# Altium PCB vme64x6U_ctrlc.PcbDoc (part 14 of 18)
Units mm, origin at the board's own origin, x right, y up, seen from the top; angles counter-clockwise.
Board outline 233.35 x 162 mm, 6 copper layers (TopLayer, PlaneGnd, PlanePwr, MidLayer3, MidLayer4, BottomLayer); 408 components, 677 nets, 2169 pads, 1555 vias.
Unrouted connection lines stored in the file: 184.
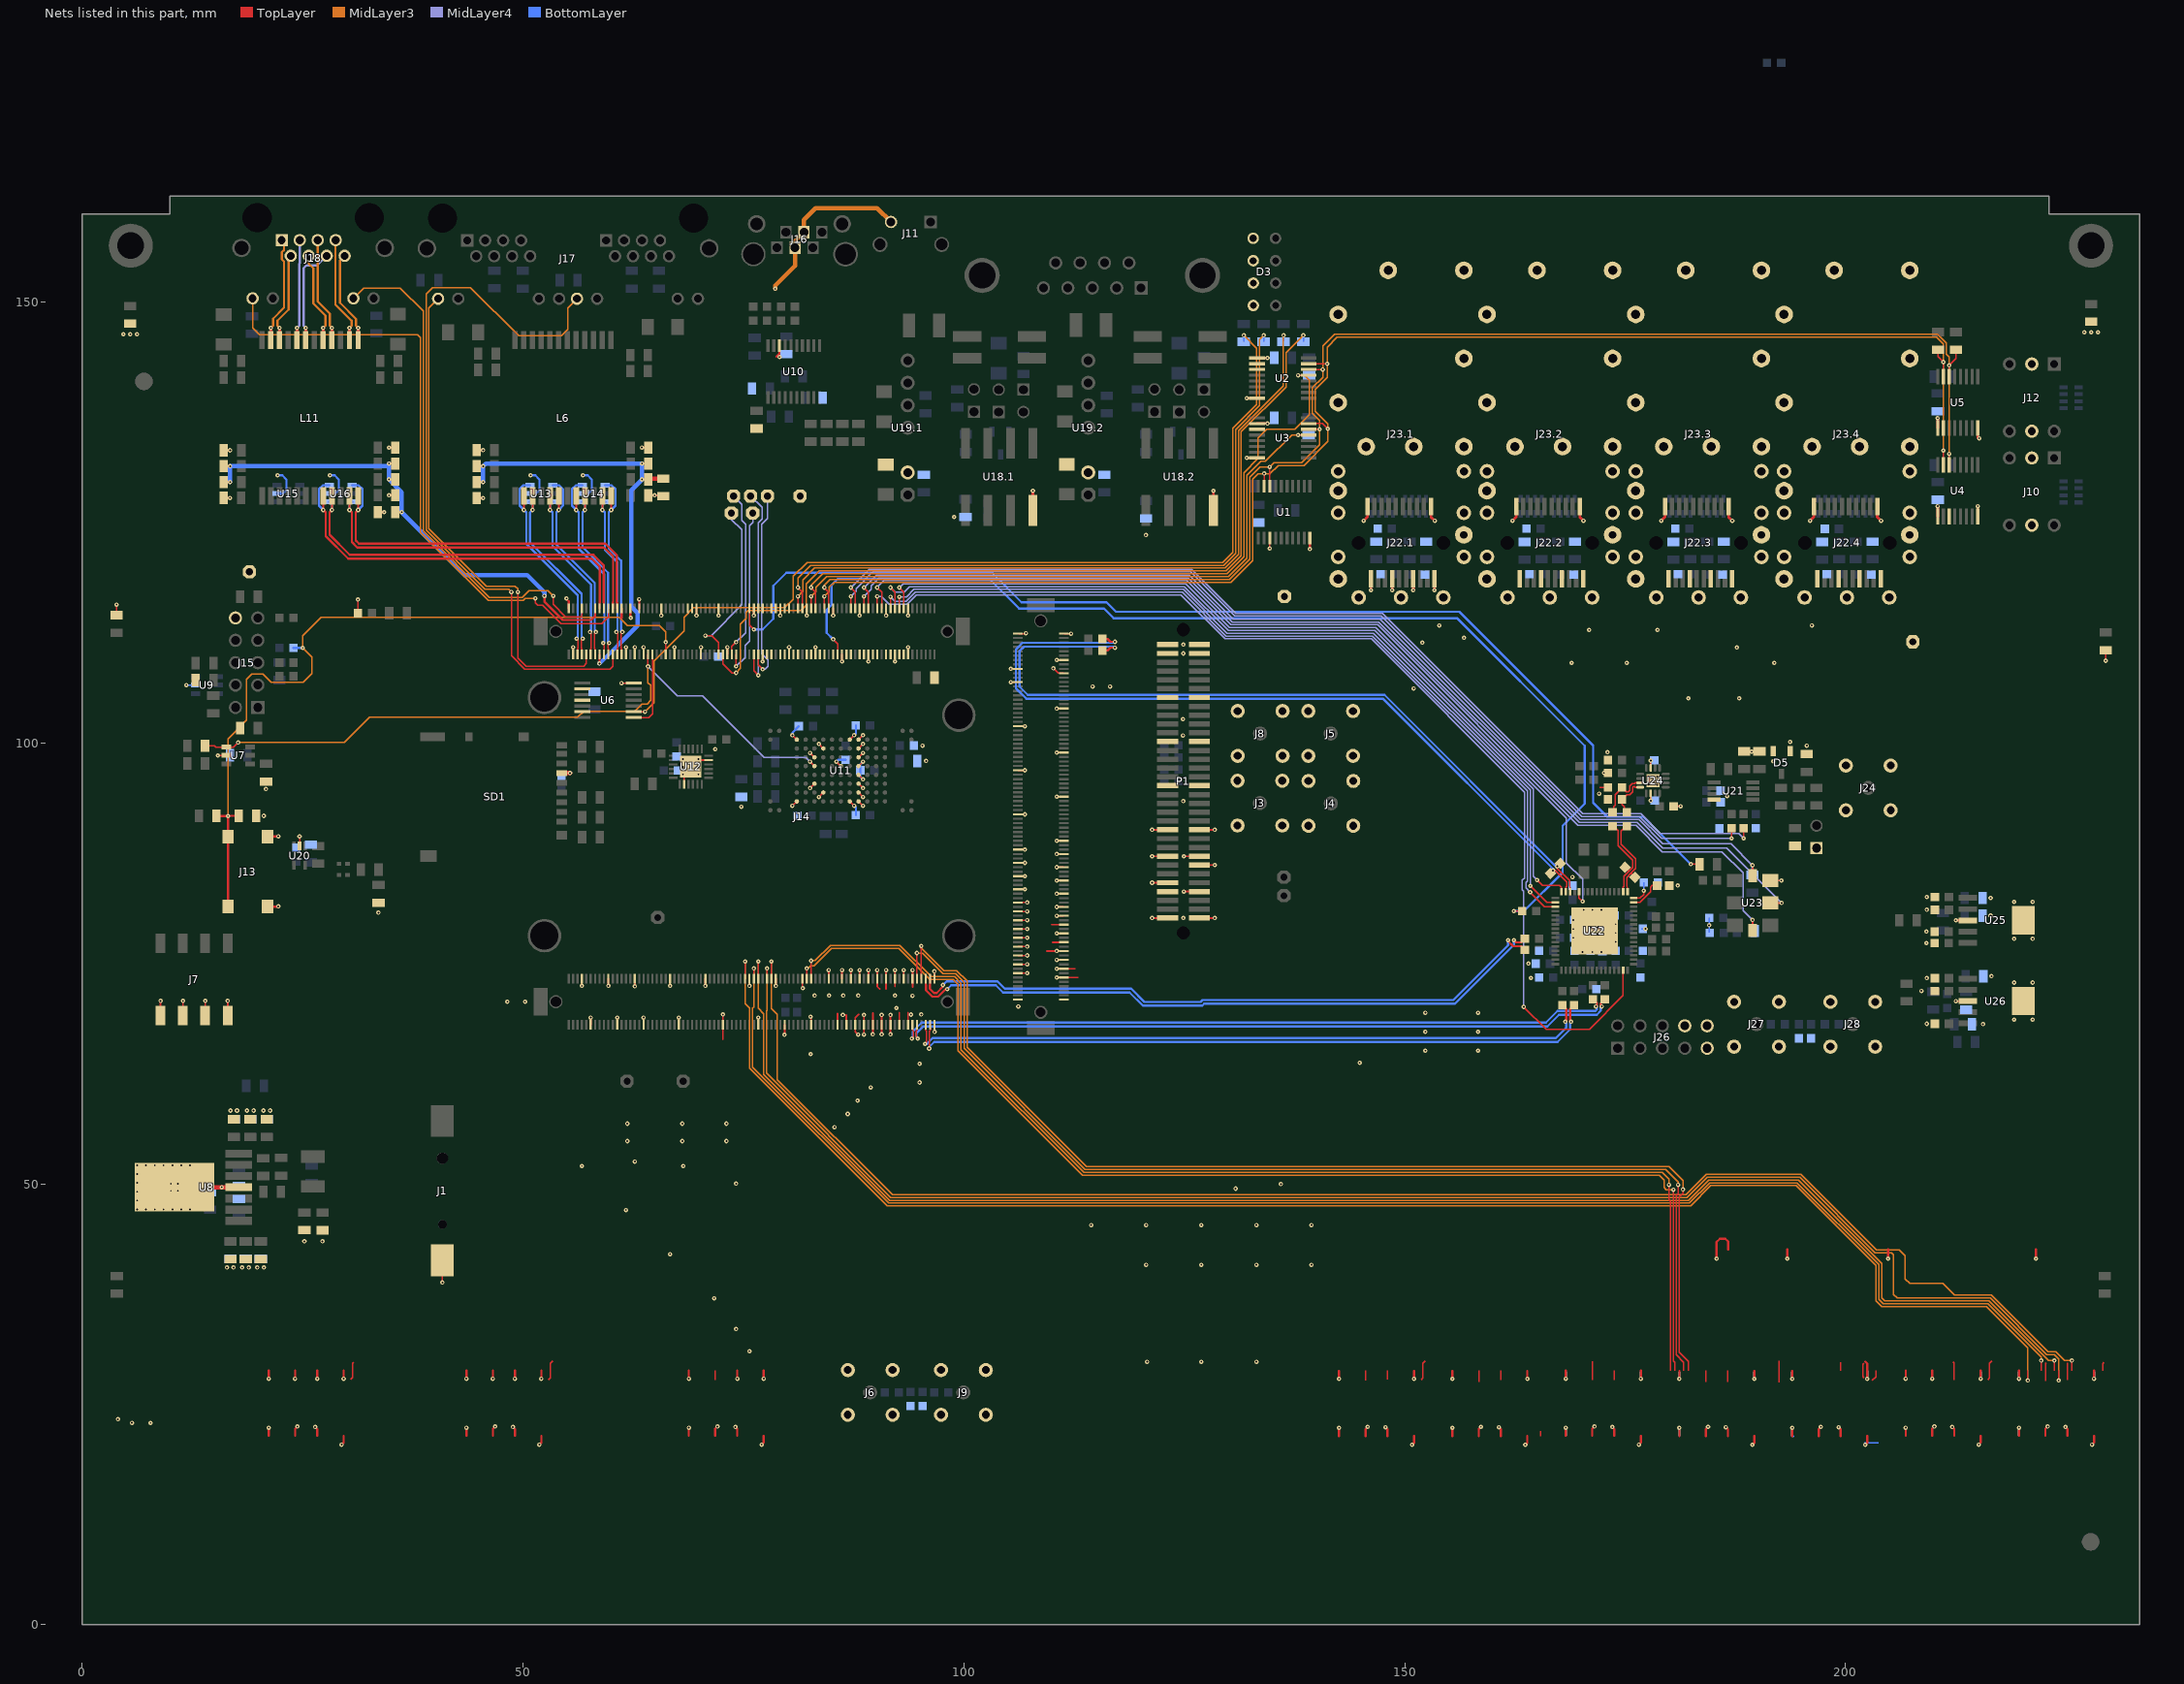
[diagram p18: the nets of this part, all layers, seen from the top]

## Via types
v1: diameter 0.5, hole 0.2, TopLayer to BottomLayer, tented both sides, 1555 vias

## Nets (pads, with @x,y where several pads share a name; then routed paths per layer and width w, separated by ;. In a path a pad name is that pad's centre, name@x,y a point inside that pad or via, vN(x,y) a via of type N, cw(c..) or ccw(c..) an arc to the next point about the centre after c; other vN are vias at no path point) (continued)
ETH0_C_N: J14.A151 L11.9 U16.1 | length 43
  TopLayer w0.25: L11.9@28.33,128 v1(28.33,126.425) 28.048,126.143 28.048,123.627 30.35,121.325 57.976,121.325 59.137,120.164 59.137,115.962 59.175,115.925 J14.A151@59.175,115.25
  BottomLayer w0.25: U16.1@28.02,127.335 28.33,127.025 v1(28.33,126.425)
ETH0_C_P: J14.A153 L11.8 U16.3 | length 45.9
  TopLayer w0.25: L11.8@27.34,128 v1(27.34,126.425) 27.623,126.143 27.623,123.451 30.174,120.9 57.8,120.9 58.712,119.988 58.712,115.962 58.675,115.925 J14.A153@58.675,115.25
  BottomLayer w0.25: v1(27.34,126.425) 26.855,126.91 26.855,128.785 27.305,129.235 U16.3@28.02,129.235
ETH0_CTREF: C57.2 J14.A155 L7.2 L8.2 L9.2 L10.2 | length 58.2
  TopLayer w0.25: L10.2@16.06,129.585 v1(16.785,129.585) ; L9.2@16.06,131.385 v1(16.785,131.385) ; v1(34.785,129.885) L7.2@35.51,129.885 ; v1(34.785,131.685) L8.2@35.51,131.685 ; C57.2@35.51,126.185 v1(36.235,126.185) ; v1(52.425,116.675) 52.425,116.027 54.502,113.95 57.725,113.95 58.175,114.4 J14.A155@58.175,115.25
  BottomLayer w0.5: v1(16.785,129.585) v1(16.785,131.385) 34.785,131.385 ; v1(34.785,131.685) 34.785,131.385 ; v1(52.425,116.675) 52.425,117.075 50.45,119.05 43.37,119.05 v1(36.235,126.185) 36.235,128.435 v1(34.785,129.885) 34.785,131.385
ETH0_D_N: J14.A145 L11.12 U16.4 | length 45.5
  TopLayer w0.25: L11.12@31.3,128 v1(31.3,126.425) 31.018,126.143 31.018,122.957 31.375,122.6 59.35,122.6 60.637,121.313 60.637,115.962 60.675,115.925 J14.A145@60.675,115.25
  BottomLayer w0.25: U16.4@30.62,129.235 31.335,129.235 31.785,128.785 31.785,126.91 v1(31.3,126.425)
ETH0_D_P: J14.A147 L11.11 U16.6 | length 42.6
  TopLayer w0.25: L11.11@30.31,128 v1(30.31,126.425) 30.593,126.143 30.593,122.781 31.199,122.175 59.174,122.175 60.212,121.136 60.212,115.962 60.175,115.925 J14.A147@60.175,115.25
  BottomLayer w0.25: v1(30.31,126.425) 30.31,127.085 30.56,127.335 U16.6@30.62,127.335
ETH0_J1_N: J18.2 L11.22 | length 10.3
  TopLayer w0.3: L11.22@22.39,145.7 v1(22.39,147.065)
  MidLayer3 w0.25: v1(22.39,147.065) 22.147,147.308 22.147,147.9 23.4,149.153 23.4,154.995 J18.2@23.65,155.245
ETH0_J1_P: J18.1 L11.23 | length 12.3
  TopLayer w0.3: L11.23@21.4,145.7 v1(21.4,147.065)
  MidLayer3 w0.25: v1(21.4,147.065) 21.643,147.308 21.643,148.109 22.896,149.362 22.896,154.592 22.655,154.833 22.655,155.657 22.896,155.898 22.896,156.759 J18.1@22.63,157.025
ETH0_J2_N: J18.6 L11.19 | length 11.4
  TopLayer w0.3: L11.19@25.36,145.7 v1(25.36,147.065)
  MidLayer4 w0.25: v1(25.36,147.065) 25.117,147.308 25.117,153.85 25.417,154.15 26.635,154.15 J18.6@27.73,155.245
ETH0_J2_P: J18.3 L11.20 | length 11.4
  TopLayer w0.3: L11.20@24.37,145.7 v1(24.37,147.065)
  MidLayer4 w0.25: v1(24.37,147.065) 24.613,147.308 24.613,154.359 24.67,154.416 J18.3@24.67,157.025
ETH0_J3_N: J18.5 L11.16 | length 12
  TopLayer w0.3: L11.16@28.33,145.7 v1(28.33,147.065)
  MidLayer3 w0.25: J18.5@26.71,157.025 26.71,150.061 28.087,148.684 28.087,147.308 v1(28.33,147.065)
ETH0_J3_P: J18.4 L11.17 | length 10.4
  TopLayer w0.3: L11.17@27.34,145.7 v1(27.34,147.065)
  MidLayer3 w0.25: J18.4@25.69,155.245 25.69,154.335 26.206,153.819 26.206,149.852 27.583,148.475 27.583,147.308 v1(27.34,147.065)
ETH0_J4_N: J18.8 L11.13 | length 10.6
  TopLayer w0.3: L11.13@31.3,145.7 v1(31.3,147.065)
  MidLayer3 w0.25: J18.8@29.77,155.245 29.229,154.704 29.229,149.912 31.057,148.084 31.057,147.308 v1(31.3,147.065)
ETH0_J4_P: J18.7 L11.14 | length 12.2
  TopLayer w0.3: L11.14@30.31,145.7 v1(30.31,147.065)
  MidLayer3 w0.25: J18.7@28.75,157.025 28.725,157 28.725,149.703 30.553,147.875 30.553,147.308 v1(30.31,147.065)
ETH0_LED1: J14.A149 J18.9 | length 72.2
  TopLayer w0.15: v1@51.4,116.3 51.4,115.875 51.675,115.6 52.225,115.6 54.3,113.525 58.9,113.525 59.675,114.3 J14.A149@59.675,115.25
  MidLayer3 w0.15: J18.9@19.33,150.415 19.33,147.045 20.1,146.275 38.05,146.275 38.35,145.975 38.35,123.881 46.056,116.175 50.035,116.175 50.26,116.4 v1(51.4,116.4)
ETH0_LED2: J14.A161 J18.11 | length 58.5
  TopLayer w0.15: v1(53.425,116.675) 53.425,115.725 54.825,114.325 56.55,114.325 56.675,114.45 J14.A161@56.675,115.25
  MidLayer3 w0.15: J18.11@30.76,150.415 31.945,151.6 36.075,151.6 38.675,149 38.675,124.015 46.19,116.5 49.9,116.5 50.675,117.275 52.825,117.275 v1(53.425,116.675)
ETH1_CTREF: C50.2 J14.A154 L2.2 L3.2 L4.2 L5.2 | length 50.8
  TopLayer w0.25: L5.2@44.755,129.585 v1(45.48,129.585) ; L4.2@44.755,131.385 v1(45.48,131.385) ; v1(58.675,109) J14.A154@58.675,110.05 ; v1(63.48,129.885) L2.2@64.205,129.885 ; v1(63.48,131.685) L3.2@64.205,131.685
  TopLayer w0.5: L2.2@64.205,129.885 64.295,129.975 C50.2@65.8,129.975
  BottomLayer w0.5: v1(45.48,129.585) v1(45.48,131.385) 45.78,131.685 v1(63.48,131.685) v1(63.48,129.885) 63.48,129.855 62.275,128.65 62.275,115.45 63,114.725 63,113.325 v1(58.675,109)
ETH1_LED1: J14.A160 J17.9B | length 56.6
  TopLayer w0.15: v1(49.425,117.125) 49.425,109.61 50.335,108.7 56.875,108.7 57.175,109 J14.A160@57.175,110.05
  MidLayer3 w0.15: J17.9B@40.365,150.375 39.325,149.335 39.325,124.285 45.835,117.775 49.1,117.775 49.4,117.475 49.4,117.15 v1(49.425,117.125)
ETH1_LED2: J14.A148 J17.9A | length 83
  TopLayer w0.15: v1(48.675,117.125) 48.675,109.9 50.2,108.375 59.85,108.375 60.175,108.7 J14.A148@60.175,110.05
  MidLayer3 w0.15: v1(48.675,117.125) 48.35,117.45 45.7,117.45 39,124.15 39,150.9 39.725,151.625 44.05,151.625 49.5,146.175 54.35,146.175 55.075,146.9 55.075,149.335 J17.9A@56.115,150.375
ETH1A_RX_N: J14.A156 L6.6 U13.4 | length 23.9
  TopLayer w0.15: J14.A156@58.175,110.05 58.175,110.675 58.127,110.723 58.127,112.442 v1(58.26,112.575)
  TopLayer w0.25: v1(54.055,126.425) L6.6@54.055,128
  BottomLayer w0.25: U13.4@53.375,129.235 54.09,129.235 54.54,128.785 54.54,126.91 v1(54.055,126.425) 53.775,126.145 53.775,122.501 58.138,118.139 58.138,112.697 v1(58.26,112.575)
ETH1A_RX_P: J14.A158 L6.5 U13.6 | length 21.1
  TopLayer w0.15: v1(57.59,112.575) 57.723,112.442 57.723,110.723 57.675,110.675 J14.A158@57.675,110.05
  TopLayer w0.25: v1(53.065,126.425) L6.5@53.065,128
  BottomLayer w0.25: U13.6@53.375,127.335 53.315,127.335 53.065,127.085 v1(53.065,126.425) 53.35,126.14 53.35,122.325 57.713,117.963 57.713,112.697 v1(57.59,112.575)
ETH1A_TX_N: J14.A162 L6.3 U13.1 | length 21.6
  TopLayer w0.15: v1@56.627,111.667 56.627,110.723 56.675,110.675 J14.A162@56.675,110.05 ; v1@56.627,111.692 v1(56.76,111.825)
  TopLayer w0.25: v1(51.085,126.425) L6.3@51.085,128
  BottomLayer w0.25: U13.1@50.775,127.335 51.085,127.025 v1(51.085,126.425) 50.803,126.143 50.803,122.749 56.638,116.914 56.638,111.948 v1(56.76,111.825)
ETH1A_TX_P: J14.A164 L6.2 U13.3 | length 24.5
  TopLayer w0.15: v1(56.09,111.825) v1@56.223,111.692 ; J14.A164@56.175,110.05 56.175,110.675 56.223,110.723 v1@56.223,111.667
  TopLayer w0.25: v1(50.095,126.425) L6.2@50.095,128
  BottomLayer w0.25: U13.3@50.775,129.235 50.06,129.235 49.61,128.785 49.61,126.91 v1(50.095,126.425) 50.378,126.143 50.378,122.572 56.213,116.738 56.213,111.948 v1(56.09,111.825)
ETH1B_RX_N: J14.A144 L6.12 U14.4 | length 22.7
  TopLayer w0.15: J14.A144@61.175,110.05 61.175,110.675 61.127,110.723 61.127,112.442 v1(61.26,112.575)
  TopLayer w0.25: v1(59.995,126.425) L6.12@59.995,128
  BottomLayer w0.25: U14.4@59.315,129.235 60.03,129.235 60.48,128.785 60.48,126.91 v1(59.995,126.425) 59.713,126.143 59.713,122.089 61.138,120.664 61.138,112.697 v1(61.26,112.575)
ETH1B_RX_P: J14.A146 L6.11 U14.6 | length 19.8
  TopLayer w0.15: v1(60.59,112.575) 60.723,112.442 60.723,110.723 60.675,110.675 J14.A146@60.675,110.05
  TopLayer w0.25: v1(59.005,126.425) L6.11@59.005,128
  BottomLayer w0.25: 59.288,125.624 59.288,121.912 60.713,120.488 60.713,112.697 v1(60.59,112.575) ; 59.288,125.65 59.288,126.143 v1(59.005,126.425) 59.005,127.085 59.255,127.335 U14.6@59.315,127.335
ETH1B_TX_N: J14.A150 L6.9 U14.1 | length 20.4
  TopLayer w0.15: J14.A150@59.675,110.05 59.675,110.675 59.627,110.723 59.627,111.178 v1(59.773,111.325)
  TopLayer w0.25: v1(57.025,126.425) L6.9@57.025,128
  BottomLayer w0.25: U14.1@56.715,127.335 57.025,127.025 v1(57.025,126.425) 56.743,126.143 56.743,122.209 59.65,119.301 59.65,111.448 v1(59.773,111.325)
ETH1B_TX_P: J14.A152 L6.8 U14.3 | length 23.3
  TopLayer w0.15: v1(59.09,111.325) 59.223,111.192 59.223,110.723 59.175,110.675 J14.A152@59.175,110.05
  TopLayer w0.25: v1(56.035,126.425) L6.8@56.035,128
  BottomLayer w0.25: U14.3@56.715,129.235 56,129.235 55.55,128.785 55.55,126.91 v1(56.035,126.425) 56.318,126.143 56.318,122.033 59.225,119.125 59.225,111.46 v1(59.09,111.325)
FPGA_CONFDONE: J14.A130 U6.1 | length 9
  TopLayer w0.15: U6.1@62.56,102.89 64.24,102.89 64.675,103.325 J14.A130@64.675,110.05
FPGA_CONFDONE_LED: R26.1 U6.2 | length 107.7
  TopLayer w0.15: U6.2@62.56,103.54 v1(63.84,103.54)
  MidLayer3 w0.15: v1(63.84,103.54) 64.85,104.55 64.85,109.325 68.25,112.725 68.25,114.25 69.32,115.32 79.67,115.32 80.65,116.3 80.65,118.9 82.225,120.475 83.2,120.475 129.336,120.475 130.495,121.634 130.495,135.678 133.2,138.383 133.2,144.775 v1(131.75,146.225)
  BottomLayer w0.15: R26.1@131.75,145.5 v1(131.75,146.225)
FPLLIN_N: C87.1 R130.1 U24.11 | length 6.2
  TopLayer w0.15: C87.1@173.725,92.15 173.725,92.8 173.85,92.925 173.85,94.15 R130.1@174.65,94.95 175.15,94.45 175.375,94.45 175.525,94.6 175.525,95.097 175.815,95.387 176.088,95.387 176.175,95.475 U24.11@176.7,95.475
FPLLIN_P: C86.1 R131.1 U24.12 | length 4.5
  TopLayer w0.15: C86.1@174.925,92.2 174.925,92.725 174.65,93 R131.1@174.65,93.6 175.175,94.125 175.51,94.125 175.85,94.465 175.85,94.962 175.95,95.062 176.088,95.062 176.175,94.975 U24.12@176.7,94.975
GEPAD: U24.17
  other v1: 177.675,95.25 178.625,95.25 177.675,96.2 178.625,96.2
GND: C1.2 C2.2 C3.2 C4.2 C7.1 C10.2 C11.1 C12.1 C13.2 C14.2 C15.1 C16.2 C17.2 C18.2 C19.2 C20.2 C21.2 C22.1 C23.1 C24.1 C25.1 C26.1 C27.1 C28.1 C30.1 C31.1 C32.1 C33.1 C34.2 C35.2 C38.1 C39.2 C40.2 C41.2 C42.1 C43.2 C44.2 C45.2 C46.2 C47.2 C48.2 C49.2 C50.1 C52.1 C53.1 C54.1 C55.1 C57.1 C60.1 C61.1 C62.1 C63.1 C66.1.1 C66.2.1 C69.1.1 C69.2.1 C70.1.1 C70.2.1 C71.1 C72.1 C73.1.1 C73.2.1 C73.3.1 C73.4.1 C74.1.1 C74.2.1 C74.3.1 C74.4.1 C75.1.1 C75.2.1 C75.3.1 C75.4.1 C76.1.1 C76.2.1 C76.3.1 C76.4.1 C77.1.1 C77.2.1 C77.3.1 C77.4.1 C78.2 C79.2 C81.2 C82.2 C83.2 C85.1 C88.1 C89.1 C91.1 C93.1 C94.1 C95.1 C97.1 C98.1 C99.1 C100.1 C102.1 C103.1 C104.1 C105.1 C106.1 C109.1 C116.2 C117.2 C118.1 C119.1 C120.1 C121.1 C122.2 C123.2 C125.1 C126.1 C127.1 D3.2 D3.4 D3.6 D3.8 D4.1 D5.1 D5.2 J1.2 J3.2 J4.2 J5.2 J6.2 J7.1 J7.2 J7.3 J7.4 J8.2 J9.2 J10.C1 J10.C2 J11.2 J12.C1 J12.C2 J13.3 J13.4 J14.A13 J14.A14 J14.A20 J14.A23 J14.A32 J14.A35 J14.A44 J14.A47 J14.A56 J14.A59 J14.A68 J14.A71 J14.A80 J14.A83 J14.A96 J14.A99 J14.A108 J14.A109 J14.A120 J14.A125 J14.A134 J14.A135 J14.A138 J14.A139 J14.A142 J14.A143 J14.A166 J14.A167 J14.B1 J14.B2 J14.B11 J14.B14 J14.B15 J14.B18 J14.B19 J14.B22 J14.B23 J14.B26 J14.B27 J14.B30 J14.B31 J14.B34 J14.B35 J14.B38 J14.B39 J14.B42 J14.B43 J14.B46 J14.B49 J14.B58 J14.B61 J14.B70 J14.B73 J14.B82 J14.B85 J14.B98 J14.B105 J14.B118 J14.B121 J14.B134 J14.B137 J14.B146 J14.B149 J14.B158 J14.B161 J14.C1 J14.C2 J14.C11 J14.C14 J14.C15 J14.C18 J14.C19 J14.C22 J14.C23 J14.C26 J14.C27 J14.C30 J14.C31 J14.C34 J14.C35 J14.C38 J14.C39 J14.C42 J14.C43 J14.C46 J14.C49 J14.C52 J14.C55 J14.C58 J14.C61 J14.C64 J14.C67 J14.C70 J14.C73 J14.C86 J14.C93 J14.C106 J14.C113 J14.C126 J14.C133 J14.C146 J14.C149 J14.C152 J14.C155 J14.C167 J14.C168 J15.10 J16.3 J16.4 J22.1.1 J22.1.10 J22.1.11 J22.1.14 J22.1.17 J22.1.20 J22.2.1 J22.2.10 J22.2.11 J22.2.14 J22.2.17 J22.2.20 J22.3.1 J22.3.10 J22.3.11 J22.3.14 J22.3.17 J22.3.20 J22.4.1 J22.4.10 J22.4.11 J22.4.14 J22.4.17 J22.4.20 J23.1.1 J23.1.2 J23.1.3 J23.1.4 J23.1.5 J23.1.6 J23.1.7 J23.1.8 J23.1.9 J23.1.10 J23.1.11 J23.1.12 J23.1.13 J23.1.14 J23.1.15 J23.1.16 J23.1.17 J23.1.18 J23.1.19 J23.1.20 J23.2.1 J23.2.2 J23.2.3 J23.2.4 J23.2.5 J23.2.6 J23.2.7 J23.2.8 J23.2.9 J23.2.10 J23.2.11 J23.2.12 J23.2.13 J23.2.14 J23.2.15 J23.2.16 J23.2.17 J23.2.18 J23.2.19 J23.2.20 J23.3.1 J23.3.2 J23.3.3 J23.3.4 J23.3.5 J23.3.6 J23.3.7 J23.3.8 J23.3.9 J23.3.10 J23.3.11 J23.3.12 J23.3.13 J23.3.14 J23.3.15 J23.3.16 J23.3.17 J23.3.18 J23.3.19 J23.3.20 J23.4.1 J23.4.2 J23.4.3 J23.4.4 J23.4.5 J23.4.6 J23.4.7 J23.4.8 J23.4.9 J23.4.10 J23.4.11 J23.4.12 J23.4.13 J23.4.14 J23.4.15 J23.4.16 J23.4.17 J23.4.18 J23.4.19 J23.4.20 J24.2 J25.1 J26.8 J26.9 J26.10 J27.2 J28.2 P1.1 P1.2 P1.7 P1.8 P1.10 P1.13 P1.15 P1.16 P1.21 P1.22 P1.31 P1.32 P1.41 P1.42 P1.51 P1.52 P1.61 P1.62 P1.63 P1.64 R15.2 R19.2 R30.2 R31.1 R32.2 R33.1 R39.2 R40.2 R44.2 R51.1 R70.1 R107.1 R108.2 R111.2 R112.1 R117.2 R121.2 R127.1 R129.1 R130.2 R131.2 R133.2 R134.1 R135.1 R136.1 R138.1 SD1.6 TP4.1 TP6.1 TP8.1 TP10.1 U1.3 U1.10 U2.1 U2.2 U2.3 U2.8 U3.2 U3.3 U3.8 U4.1 U4.3 U4.8 U5.1 U5.2 U5.8 U6.7 U6.9 U6.11 U6.13 U7.2 U8.0 U8.4 U9.2 U10.18 U11.G2 U11.G3 U11.G4 U11.G5 U11.G6 U11.G7 U11.G8 U11.G9 U11.H2 U11.H9 U11.J5 U11.L3 U11.L8 U11.M4 U11.M7 U11.P2 U11.P9 U12.2 U12.11 U12.25 U13.2 U14.2 U15.2 U16.2 U18.1.4 U18.2.4 U19.1.2 U19.2.2 U20.2 U21.8 U22.65 U23.3 U24.7 U24.14 U25.0 U25.3 U26.0 U26.3 | length 384.2
  TopLayer w0.15: v1(15.39,98.585) U7.2@16.335,98.585 ; U20.2@24.65,88.325 v1(24.65,89.4) ; 30.45,27.85 30.65,28.05 30.65,28.825 30.65,29.625 30.8,29.775 ; v1(40.85,38.8) J1.2@40.85,41.33 ; 52.9,27.8 53.075,27.975 53.075,28.825 53.075,29.65 53.35,29.925 ; v1(61.16,106.79) U6.7@62.56,106.79 ; 71.8,27.75 71.8,28.825 ; v1(80.55,92.875) U11.P9@81.05,93.375 ; v1(80.55,100.875) U11.P2@81.05,100.375 ; v1(82.55,94.875) U11.M7@83.05,95.375 ; v1(82.55,98.875) U11.M4@83.05,98.375 ; v1(83.55,93.875) U11.L8@84.05,94.375 ; v1(83.55,99.875) U11.L3@84.05,99.375 ; v1(85.55,97.875) U11.J5@86.05,97.375 ; U11.H9@87.05,93.375 v1(87.55,92.875) ; U11.H2@87.05,100.375 v1(87.55,100.875) ; U11.G9@88.05,93.375 v1(88.55,92.875) ; U11.G8@88.05,94.375 v1(88.55,93.875) ; U11.G7@88.05,95.375 v1(88.55,94.875) ; U11.G6@88.05,96.375 v1(88.55,95.875) ; U11.G5@88.05,97.375 v1(88.55,97.875) ; U11.G4@88.05,98.375 v1(88.55,98.875) ; U11.G3@88.05,99.375 v1(88.55,99.875) ; U11.G2@88.05,100.375 v1(88.55,100.875) ; v1(105.325,106.9) J14.C146@106.125,106.9 ; v1(105.325,108.4) J14.C152@106.125,108.4 ; J14.C14@106.125,73.9 106.925,73.9 ; J14.C18@106.125,74.9 106.925,74.9 ; J14.C22@106.125,75.9 106.925,75.9 ; J14.C26@106.125,76.9 106.925,76.9 ; J14.C30@106.125,77.9 106.925,77.9 ; J14.C34@106.125,78.9 106.925,78.9 ; J14.C38@106.125,79.9 106.925,79.9 ; J14.C42@106.125,80.9 106.925,80.9 ; J14.C46@106.125,81.9 106.925,81.9 ; J14.C52@106.125,83.4 v1(106.925,83.4) ; J14.C58@106.125,84.9 v1(106.925,84.9) ; J14.C64@106.125,86.4 v1(106.925,86.4) ; J14.C70@106.125,87.9 v1(106.925,87.9) ; J14.C86@106.125,91.9 v1(106.925,91.9) ; J14.C106@106.125,96.9 v1(106.925,96.9) ; J14.C126@106.125,101.9 v1(106.925,101.9) ; J14.C168@106.2,112.368 v1@107,112.368 ; v1(110.15,108.45) 110.7,107.9 J14.C149@111.325,107.9 ; v1(110.525,73.4) J14.C11@111.325,73.4 112.975,73.4 ; v1(110.525,74.4) J14.C15@111.325,74.4 112.65,74.4 ; v1(110.525,75.4) J14.C19@111.325,75.4 ; v1(110.525,76.4) J14.C23@111.325,76.4 ; v1(110.525,78.4) J14.C31@111.325,78.4 ; v1(110.525,80.4) J14.C39@111.325,80.4 ; v1(110.525,81.4) J14.C43@111.325,81.4 ; v1(110.525,82.9) J14.C49@111.325,82.9 ; v1(110.525,84.4) J14.C55@111.325,84.4 ; v1(110.525,87.4) J14.C67@111.325,87.4 ; v1(110.525,88.9) J14.C73@111.325,88.9 ; v1(110.525,93.9) J14.C93@111.325,93.9 ; v1(110.525,98.9) J14.C113@111.325,98.9 ; v1(110.525,103.9) J14.C133@111.325,103.9 ; v1(110.525,109.4) J14.C155@111.325,109.4 ; v1(110.535,85.91) J14.C61@111.335,85.91 ; J14.C167@111.35,112.393 v1(112.15,112.393) ; v1(134.7,122.05) U1.3@134.7,123.225 ; 145.55,27.7 145.55,28.825 ; 148.05,27.825 148.05,28.825 ; 151.875,27.8 152.05,27.975 152.05,28.825 152.05,29.65 152.325,29.925 ; 158.4,27.575 158.4,28.825 ; 160.9,27.75 160.9,28.825 ; 165.4,21.4 165.4,21.425 165.4,21.925 ; 171.275,27.8 171.275,28.825 171.275,29.875 ; 172.125,94.95 R130.2@173.05,94.95 ; v1(172.6,96.6) R135.1@173.05,96.6 ; 173.775,27.75 173.775,28.825 ; v1(177.309,78.921) v1@177.321,78.921 ; v1(177.9,93.45) U24.14@177.9,94.275 ; U24.7@177.9,97.175 v1(177.9,98) ; 184.15,27.55 184.15,28.8 ; 186.65,27.575 186.65,28.8 ; 192.45,27.525 192.45,28.825 192.45,29.9 ; 199.45,28.825 199.45,29.75 ; 202.096,27.997 201.95,28.143 201.95,28.825 201.95,29.507 202.096,29.653 ; 203.025,27.7 203.45,28.125 203.45,28.825 ; 212.2,29.8 212.325,29.675 212.325,28.825 212.325,27.775 ; v1(212.507,70.725) U26.3@213.875,70.725 ; 216.15,27.8 216.325,27.975 216.325,28.825 216.325,29.65 216.6,29.925 ; 222.675,27.675 222.675,28.825 222.675,29.64 222.722,29.687 ; 225.175,27.8 225.175,28.825 225.175,29.7 ; 229.175,28.825 229.175,29.603 229.297,29.725
  TopLayer w0.2: R31.1@3.9,114.5 v1(3.9,115.7) ; J7.1@8.88,69.085 v1(8.88,70.75) ; J7.2@11.42,69.085 v1(11.42,70.75) ; J7.3@13.96,69.085 v1(13.96,70.75) ; J7.4@16.49,69.075 16.5,69.085 v1(16.5,70.75) ; D4.1@31.265,114.71 v1(31.265,116.26) ; J14.A166@55.675,110.05 v1(55.675,110.85) ; v1(56.675,72.45) J14.B161@56.675,73.25 ; J14.B158@57.675,68.05 v1(57.675,68.85) ; v1(59.675,72.45) J14.B149@59.675,73.25 ; J14.B146@60.675,68.05 v1(60.675,68.85) ; J14.A142@61.675,110.05 v1(61.675,110.85) ; v1(62.675,72.4) J14.B137@62.675,73.25 ; J14.A138@62.675,110.05 v1(62.675,110.85) ; J14.B134@63.675,68.05 v1(63.675,68.85) ; J14.A134@63.675,110.05 v1(63.675,110.85) ; v1(65.675,114.45) J14.A125@65.675,115.25 ; v1(66.675,72.45) J14.B121@66.675,73.25 ; J14.A120@67.175,110.05 v1(67.175,110.85) ; J14.B118@67.675,68.05 v1(67.675,68.85) ; U12.2@68.275,95.3 68.275,96.55 U12.25@69.025,97.3 69.775,98.05 U12.11@71.025,98.05 ; v1(69.675,114.45) J14.A109@69.675,115.25 ; J14.A108@70.175,110.05 v1(70.175,110.85) ; v1(70.675,72.45) J14.B105@70.675,73.25 ; v1(72.175,114.45) J14.A99@72.175,115.25 ; 72.675,66.401 J14.B98@72.675,68.05 v1(72.675,69.2) ; J14.A96@73.175,110.05 v1(73.175,110.85) ; v1(75.675,72.45) J14.B85@75.675,73.25 ; v1(76.175,114.45) J14.A83@76.175,115.25 ; J14.B82@76.675,68.05 v1(76.675,68.85) ; v1(77.175,109.25) J14.A80@77.175,110.05 ; v1(78.675,72.45) J14.B73@78.675,73.25 ; v1(79.175,114.45) J14.A71@79.175,115.25 ; v1(79.65,66.9) 79.675,66.925 J14.B70@79.675,68.05 ; J14.A68@80.175,110.05 v1(80.175,110.85) ; J14.B61@81.675,73.25 81.675,72.186 v1(81.72,72.186) ; v1(82.175,114.45) J14.A59@82.175,115.25 ; J14.B58@82.675,68.05 v1@82.675,68.85 ; J14.A56@83.175,110.05 v1(83.175,110.85) ; J14.B49@84.675,73.25 v1(84.675,74.25) ; v1(85.175,114.45) J14.A47@85.175,115.25 ; J14.B46@85.675,68.05 85.675,69.3 ; J14.B43@86.175,73.25 v1(86.175,74.25) ; v1(86.175,109.25) J14.A44@86.175,110.05 ; J14.B42@86.675,68.05 86.675,69.175 ; J14.B39@87.175,73.25 v1(87.175,74.25) ; v1(88,66.925) 87.675,67.25 J14.B38@87.675,68.05 87.675,68.825 88.075,69.225 ; J14.B35@88.175,73.25 v1(88.175,74.25) ; v1(88.175,114.45) J14.A35@88.175,115.25 ; v1@88.675,66.95 J14.B34@88.675,68.05 v1(88.675,69.15) ; J14.B31@89.175,73.25 v1(89.175,74.25) ; v1(89.175,109.25) J14.A32@89.175,110.05 ; v1(89.675,66.95) J14.B30@89.675,68.05 89.675,69.37 ; v1(90.175,74.25) J14.B27@90.175,73.25 90.175,72.375 90.45,72.1 ; v1(90.675,66.95) J14.B26@90.675,68.05 v1(90.675,69.15) ; 91.175,72.075 J14.B23@91.175,73.25 v1(91.175,74.25) ; v1(91.175,114.45) J14.A23@91.175,115.25 ; v1(91.675,66.95) J14.B22@91.675,68.05 v1(91.675,69.15) ; 92.175,72.35 J14.B19@92.175,73.25 v1(92.175,74.25) ; v1(92.175,109.25) J14.A20@92.175,110.05 ; J14.B18@92.675,68.05 92.675,69.448 ; J14.B15@93.175,73.25 v1(93.175,74.25) ; J14.B14@93.675,68.05 93.675,69.448 ; J14.A14@93.675,110.05 v1(93.675,110.85) ; v1(93.675,114.45) J14.A13@93.675,115.25 ; 94.175,72.329 J14.B11@94.175,73.25 v1(94.175,74.25) ; v1(96.675,67.225) J14.B2@96.675,68.05 ; J14.B1@96.675,73.25 v1@96.675,74.1 ; 109.425,76.4 v1(110.525,76.4) ; 109.975,79.4 J14.C35@111.325,79.4 ; 110.05,77.4 J14.C27@111.325,77.4 ; v1(121.35,80.15) P1.2@123.1,80.15 ; v1(121.35,84.15) P1.10@123.1,84.15 ; v1(121.35,87.15) P1.16@123.1,87.15 ; v1(121.35,90.15) P1.22@123.1,90.15 ; v1(124.95,83.15) P1.7@126.7,83.15 ; v1(124.95,87.15) P1.15@126.7,87.15 ; P1.1@126.7,80.15 v1(128.45,80.15) ; P1.13@126.7,86.15 v1(128.45,86.15) ; P1.21@126.7,90.15 v1(128.45,90.15) ; R133.2@180.5,92.825 v1(181.3,92.825) ; U23.3@191.45,84.39 v1(192.71,84.39) ; v1(229.5,109.325) R33.1@229.5,110.525